# KiCad board radioboard_original.kicad_pcb (continued)
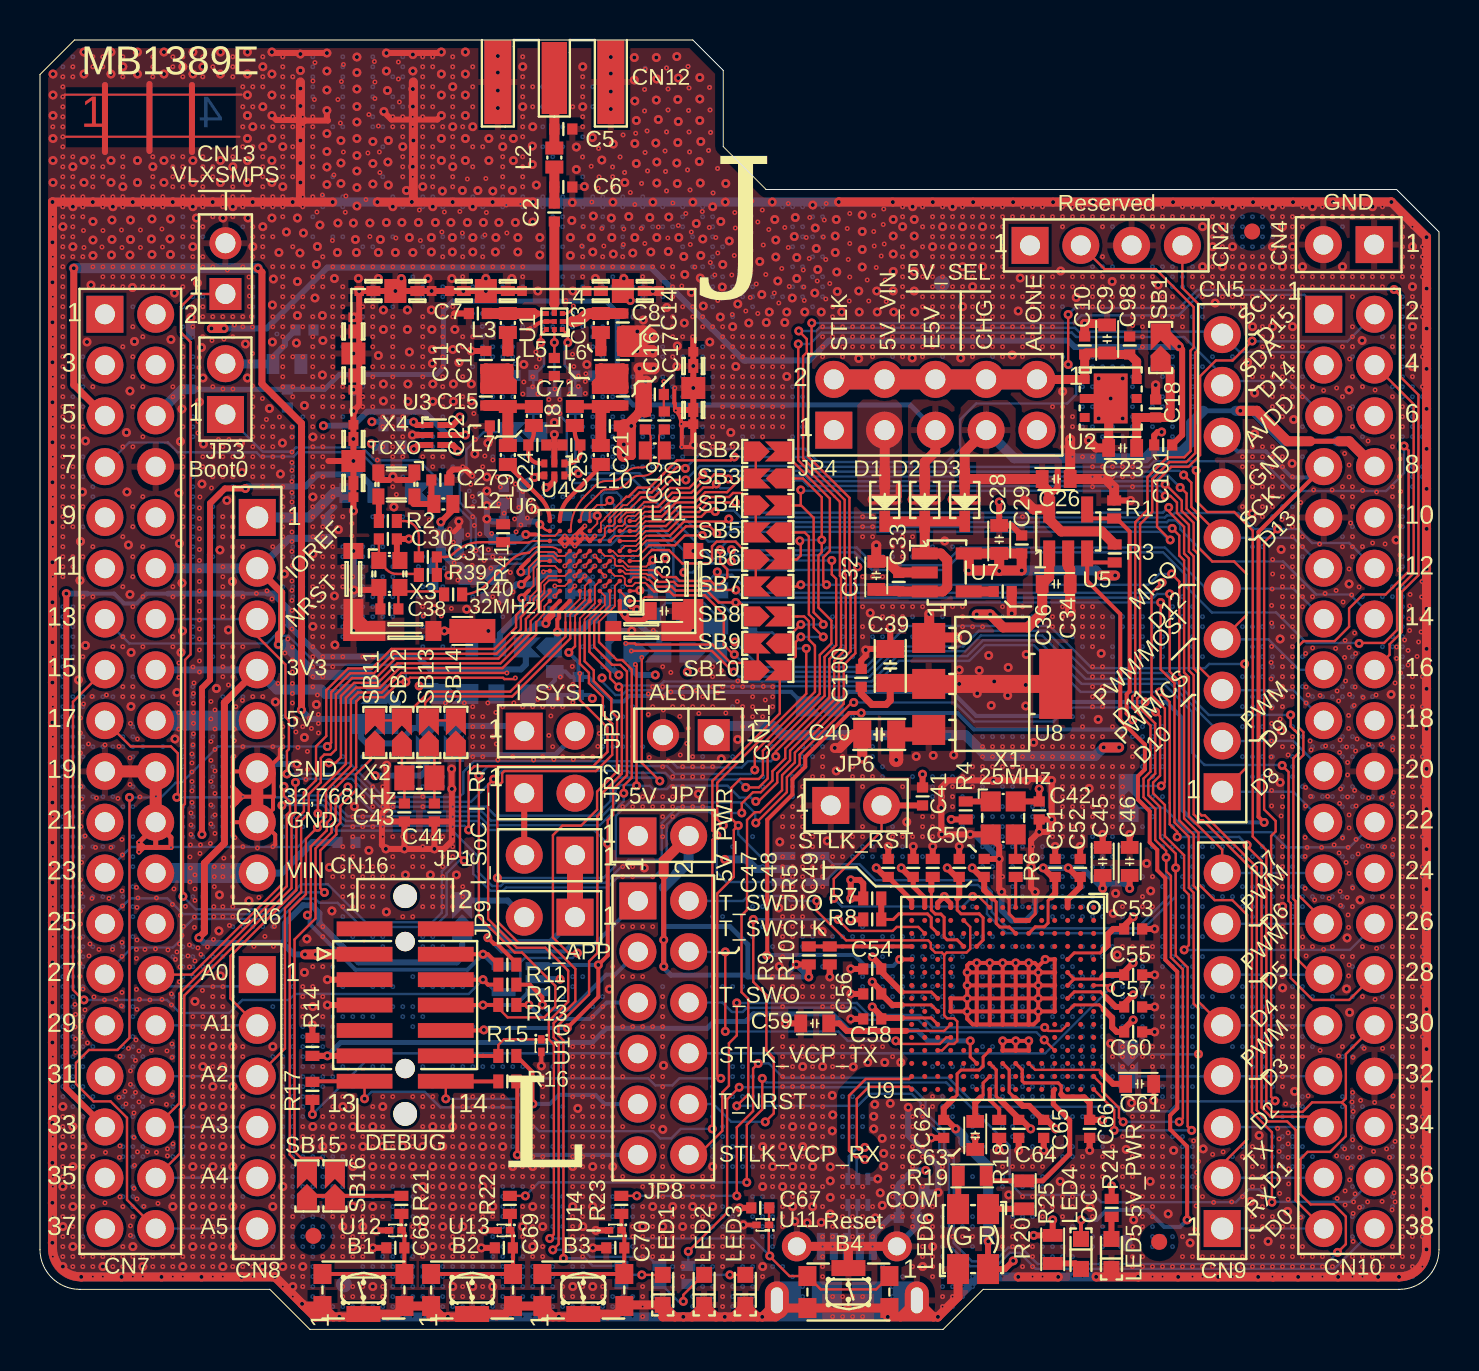
[diagram p0: board, top side]
## Routing (per net, layer and track width the routed paths; a pad name or vN(x,y) marks a point on that pad's centre or on a via; arc(x,y) is an arc through that point) (continued)
GNDDetect: length 38.2
  Top Layer w0.15: v1(46.52,14.42) 46.52,13.62 U9.K13
  Top Layer w0.3: 13.6,13.67 14.37,13.67 v1(14.37,13.68) ; v1(14.37,13.68) CN16.11 ; v1(14.37,13.68) 13.63,13.68 R14.2
  Bottom Layer w0.25: v1(46.52,14.42) 44.4,14.42 43.87,14.95 40.46,14.95 39.63,15.78 35.68,15.78 35.3,15.4 33.71,15.4 33.37,15.05 28.33,15.05 27.62,14.35 15.04,14.35 v1(14.37,13.68)
VBAT: length 57.9
  Top Layer w0.2: U6.A8 25.6,36.02 25.6,35.75
  Top Layer w0.3: CN7.33 1.32,12.05 v1(1.32,36.79)
  Top Layer w0.35: 25.6,35.74 25.36,35.49 25.36,35.35 v1(25.3,35.3)
  Bottom Layer w0.2: 2.34,36.79 3.71,36.79 4.2,36.3 4.83,36.3 5.28,36.75 5.28,36.75 5.33,36.79 6.42,36.79 ; 10.13,36.79 11.4,36.79
  Bottom Layer w0.3: 11.4,36.79 11.65,36.79 12.42,36.02 12.42,35.22 14.01,33.64 18.88,33.64 19.52,33 24.05,33 24.3,33.25 SB21.2 24.3,34.75 24.85,35.3 v1(25.3,35.3) 25.3,35.57 C84.2 ; v1(1.32,36.79) 2.34,36.79 ; 6.42,36.79 10.13,36.79
VDD_APP: length 50.6
  Top Layer w0.3: U4.5 25.73,42.42 25.4,42.1 v1(25.3,42.1) ; U3.5 v1(21.27,44.72)
  Signal Layer 2 w0.2: v1(14.17,45.19) 14.17,32.07 15.58,30.67 15.58,27.57 15.85,27.31 15.85,26.75 16.17,26.43 16.17,25.9 17.35,24.72 20.7,24.72 22.01,23.41 22.01,21.51 22.91,20.61 JP9.2 ; v1(25.3,42.1) 25.3,43.22 23.6,44.92 21.9,44.92 21.7,44.72 v1(21.27,44.72)
  Bottom Layer w0.3: SB32.2 21.29,21.44 23.39,21.44 JP9.2 ; 21.08,44.72 20.37,44.72 19.21,45.89 16.36,45.89 15.66,45.19 v1(14.17,45.19)
VDD_MCU: length 59.7
  Top Layer w0.3: JP1.2 JP2.1
  Top Layer w0.35: v1(10.9,53.06) 11.1,52.86 11.1,47.28 13.08,45.3 13.08,30.98 v1(13.08,30.97) ; v1(1.69,53.06) 1.69,47.24 CN7.5
  Signal Layer 1 w0.3: JP2.1 24.2,26.83 24.2,29.91 JP5.1
  Bottom Layer w0.3: v1(13.08,30.97) 13.52,30.52 15.97,30.52 SB29.1 16.05,30.1 16.05,29.6 16.35,29.3 17.87,29.3 18.65,30.07 SB28.1 19.52,30.3 20.48,30.3 SB27.1 20.8,30.17 23.77,30.17 24.22,29.72
  Bottom Layer w0.5: v1(1.69,53.06) v1(10.9,53.06)
VDD_RF: length 45.8
  Top Layer w0.2: v1(29.25,35.77) 29.12,35.77 29,35.9 U6.A2
  Top Layer w0.3: v1(29.25,35.77) 29.25,35.65 29.45,35.45 30.17,35.45 30.65,35.92
  Signal Layer 2 w0.35: v1(29.25,35.77) 29.25,35.65 29.42,35.47 31.55,35.47 31.77,35.7 35.2,35.7 35.95,34.95 35.95,29.25 33.8,27.1 33.8,26.6 33.2,26 27.57,26 JP2.2 25.35,25.4 23.02,25.4 22.52,25.9 18.55,25.9 v1(16.76,27.69)
  Bottom Layer w0.3: v1(16.76,27.69) 19.05,27.69 19.3,27.94 SB28.2 ; SB23.2 30.98,34.62 30.77,34.82 30.4,34.82 29.81,35.42 29.48,35.42 29.25,35.65 v1(29.25,35.77) 29.25,36.48 29.24,36.49 29.25,36.5
VDD_SYS: length 69
  Top Layer w0.09: 24.45,36.95 24.68,37.18 24.68,38.09 25.02,38.42 U6.E9 ; U6.E2 29.15,38.42 29.43,38.14 30.32,38.14 30.47,38.29 ; v1(27.87,40.69) 27.87,40.69 27.87,40.3 U6.H5
  Top Layer w0.2: 30.47,38.29 v1(30.65,38.48) ; U6.A7 25.96,35.89 25.96,35.89 25.96,35.58 25.87,35.49 v1(25.87,34.88) ; 24.45,36.95 24.1,36.6 v1(24.1,36.57)
  Signal Layer 2 w0.35: 25.52,28.67 23.3,28.67 22.19,29.79 20.71,29.79 18.96,31.54 v1(18.96,32.17) ; 25.52,28.67 26.57,29.72 26.95,29.72 28.2,28.47 31.77,28.47 32.4,29.1 32.4,30.55 33,31.15 33.7,31.15 34.12,31.57 34.12,33.77 33.57,34.32 28.33,34.32 27.37,35.27 26.98,34.88 26.05,34.88 ; 25.52,28.67 25.85,29 ; v1(30.65,38.48) 28.44,40.69 v1(27.87,40.69) 26,38.82 26,37.9 24.65,36.55 25.25,35.95 25.92,35.95 26.53,35.35 26.05,34.88 ; v1(25.87,34.88) 26.05,34.88 ; v1(24.1,36.57) 24.62,36.57
  Bottom Layer w0.25: 26.76,29.72 25.78,28.74 20.93,28.74 SB27.2
  Bottom Layer w0.3: C83.2 25.15,36.8 24.92,36.57 v1(24.1,36.57) 24.1,35.88 23,34.77 C87.2 ; v1(18.96,32.17) 19.83,32.17 SB24.1 ; C81.2 v1(30.65,38.48) ; C75.2 27.26,40.69 v1(27.87,40.69)
  Bottom Layer w0.35: SB21.1 25.73,34.1 25.87,34.25 v1(25.87,34.88) 27,34.88 C86.2
VDDPA: length 10.2
  Top Layer w0.09: U6.H8 25.75,39.67 25.18,39.67 ; 24.87,39.75 24.96,39.75 arc(25,39.74) 25.02,39.72 arc(25.08,39.69) 25.15,39.67 25.17,39.67
  Top Layer w0.2: v1(24.3,39.75) 24.8,39.75
  Top Layer w0.3: v1(20.9,43.9) 20.9,43.97 20.9,43.97 20.65,44.22 U3.4
  Signal Layer 2 w0.35: v1(20.9,43.9) 20.9,43.57 21.27,43.2 ; 21.27,43.2 22.67,43.2 24.24,41.63 24.24,39.81 v1(24.3,39.75) ; 21.27,43.2 21.55,43.2
  Bottom Layer w0.3: C78.2 23.7,39.5 arc(24.02,39.56) v1(24.3,39.75)
VDDRF: length 35.1
  Top Layer w0.09: U6.E8 25.89,38.42 25.64,38.67 25.02,38.67 24.45,38.11 24.45,37.62
  Top Layer w0.2: v1(24.08,37.25) 24.45,37.62
  Signal Layer 2 w0.35: v1(30.77,32.72) 30.3,32.72 29.12,31.55 28.4,31.55 27.27,32.67 27.27,32.69 26.71,33.25 23.23,33.25 21.9,34.57 21.9,35.41 23.75,37.25 v1(24.08,37.25) 24.35,37.25 24.67,37.57 24.67,38.25 24.33,38.6 23.55,38.6 23.01,39.14 23,39.14 18.69,43.45 17.41,43.45 v1(16.58,44.29)
  Bottom Layer w0.3: 29.58,33.92 29.58,33.02 29.87,32.72 v1(30.77,32.72) ; C82.2 25.08,37.7 24.62,37.25 v1(24.08,37.25) 23.82,37.25 C93.2
  Bottom Layer w0.35: R37.2 16.75,44.11 v1(16.58,44.29)
VDDRF1V55: length 41.7
  Top Layer w0.09: 24.45,38.48 24.84,38.88 25.7,38.88 25.9,38.67 26.25,38.67 U6.F7
  Top Layer w0.2: 24.45,38.48 24.05,38.08 v1(24.05,37.88)
  Signal Layer 2 w0.35: 21.71,37.89 17.83,41.77 16.59,41.77 15.15,43.21 15.15,44.74 15.8,45.39 v1(16.6,45.39) ; v1(24.05,37.88) 21.7,37.88 20.35,36.52 20.35,35.9 19.65,35.2 19.65,33.92 21.75,31.82 26.57,31.82 28.3,30.1 29.65,30.1 30.58,31.02 31.1,31.02 32.37,32.3 v1(32.37,32.88)
  Bottom Layer w0.3: 17.16,45.24 17.01,45.39 v1(16.6,45.39) ; v1(32.37,32.88) 32.37,33.55 SB22.1 ; v1(24.05,37.88) 24.38,37.88 25.1,38.6 C80.2
VIN: length 71.8
  Top Layer w0.7: v1(42.83,28.48) C40.2 44.22,29.75 U8.3
  Signal Layer 2 w0.35: v1(45.7,28.72) 45.67,28.7 v1(44.67,28.7) 43.87,28.7 v1(43.83,28.65) 43,28.65 v1(42.83,28.47) 42.83,27.75 43.87,26.7 43.87,25.05 43.49,24.67 40.64,24.67 37.58,21.6 37.58,20.67 35.79,18.89 35.79,16.01 35.36,15.59 34,15.59 33.75,15.34 33.75,13.19 33.11,12.55 20.4,12.55 15.21,17.74 15.21,19.29 14.02,20.47 14.02,21 12.2,22.82 CN6.8 CN7.24
  Bottom Layer w0.35: C99.2 13.63,24.35 13.05,23.77 13.02,23.77 12.07,22.82 CN6.8
  Bottom Layer w1: CN7.24 CN6.8
ARD_D0_RX: length 75.1
  Top Layer w0.12: v1(38.05,35.24) 38.05,35.24 37.1,34.3 SB9.1 ; v1(56.28,41.68) 56.54,41.68 56.86,41.35 56.86,40.83 57.46,40.23 57.46,38.9 57.7,38.66 57.7,33.05 57.94,32.81 57.94,25.85 58.09,25.7 58.26,25.7 60.86,23.11 60.86,10.96 61.42,10.39 62.38,10.39 62.8,9.97 62.8,6.45 CN10.37 ; SB4.2 38.02,41.2 38.05,41.22 ; 38.05,41.22 v1(38.05,41.97) ; 38.05,41.22 38.69,40.58 38.69,35.85 39.17,35.37 v1(39.17,35.25)
  Bottom Layer w0.12: 56.27,41.7 56.13,41.84 56.11,41.84 56.02,41.93 38.09,41.93 v1(38.05,41.97) ; CN9.1 CN10.37 ; v1(39.17,35.25) 39.15,35.27 39.12,35.24 v1(38.05,35.24)
ARD_D1_TX: length 65.9
  Top Layer w0.12: CN9.2 59.13,8.25 60.37,9.5 60.37,20.72 59.63,21.47 58.75,21.47 57.94,22.27 57.94,24.83 57.22,25.55 57.22,32.51 56.98,32.75 56.98,37.39 v1(56.6,37.77) ; v1(39.34,37.23) 39.17,37.4 39.17,38.6 39.51,38.93 39.51,41.54 37.15,43.9 SB2.2 ; v1(38.05,37.23) 38.05,37.15 SB7.1
  Bottom Layer w0.12: CN9.2 CN10.35 ; v1(56.6,37.77) 55.98,37.77 55.43,37.23 v1(39.34,37.23) v1(38.05,37.23)
ARD_PB3: length 9.8
  Bottom Layer w0.12: CN10.31 CN9.4 59.12,12.65 SB31.2
E5V: length 60.4
  Top Layer w0.5: JP4.5 44.78,43.9 44.25,43.37 D2.1 44.25,41.5 ; 44.25,41.5 v1(44.8,41.5) ; 44.25,41.5 v1(44.23,41.5) v1(43.65,41.5)
  Signal Layer 2 w0.35: 44.23,42.07 v1(43.65,41.5) v1(44.23,41.5) ; 44.23,42.07 v1(44.23,41.5) ; 44.23,42.07 v1(44.8,41.5) v1(44.23,41.5) ; 44.23,42.07 44.23,42.8 44.78,43.36 JP4.5
  Bottom Layer w0.25: 14.23,47.01 14.98,47.75 19.83,47.75 20.18,48.1 20.18,50.95 20.65,51.42 28.3,51.42 28.87,50.85 28.87,47.02 29.67,46.22 43.52,46.22 JP4.5 ; 14.23,47.01 14.23,47.01 ; 14.23,47.01 7.65,47.01 ; C94.2 12.38,47.01
  Bottom Layer w0.5: v1(43.65,41.5) v1(44.8,41.5) ; CN7.6 7.12,47.01 7.65,47.01
IOREF: length 22.1
  Top Layer w0.35: v1(11.92,34.25) 11.92,34.74 12.09,34.9 12.09,36.84 CN6.2
  Bottom Layer w0.35: CN6.2 10.97,38.06 12.47,39.56 14.35,39.56 C96.2
  Bottom Layer w0.5: 17.8,30.27 17.8,31.27 17.3,31.77 SB25.2 16.77,32.4 16.44,32.73 13.74,32.73 12.22,34.25 v1(11.92,34.25) ; CN7.12 CN6.2
NetB1_2: length 7.2
  Top Layer w0.2: B1.2 B1.4 18.23,2.77 C68.2 18.23,4.81 U12.1 18.08,4.96 R21.1
NetB2_2: length 7.2
  Top Layer w0.2: R22.1 23.51,5.76 U13.1 23.65,4.81 C69.2 23.66,4.06 B2.4 B2.2
NetB3_2: length 7.2
  Top Layer w0.2: B3.2 B3.4 C70.2 29.23,4.81 U14.1 29.09,5.76 R23.1
NetC2_1: length 1.8
  Top Layer w0.5: L2.2 C6.2 C2.1
NetC2_2: length 4.9
  Top Layer w0.14: 25.67,50.85 U1.4
  Top Layer w0.25: 25.73,50.98 U1.4 ; 25.72,50.98 arc(25.7,51.11) 25.62,51.22 ; 25.72,50.98 arc(25.75,51.11) 25.82,51.22
  Top Layer w0.5: 25.73,51.3 C2.2
NetC5_2: length 3.5
  Top Layer w0.5: L2.1 C5.2 CN12.1
NetC7_2: length 4.1
  Top Layer w0.12: 24.59,50.58 24.75,50.58 ; 24.56,51.02 24.72,51.02
  Top Layer w0.24: 24.66,50.8 25.12,50.8 ; 25.12,50.8 U1.5 ; 25.12,50.8 arc(24.92,50.76) 24.75,50.64 ; 25.09,50.8 arc(24.89,50.84) 24.72,50.96
  Top Layer w0.55: 24.66,50.8 L3.2 C7.2
NetC8_2: length 3.9
  Top Layer w0.12: 26.62,50.26 26.61,50.24 26.52,50.24 26.48,50.27
  Top Layer w0.24: 26.3,50.4 26.59,50.4 26.59,50.41 ; 26.3,50.4 26.27,50.4 ; 26.3,50.4 arc(26.42,50.37) 26.53,50.3 ; U1.2 26.27,50.4 ; 26.27,50.4 arc(26.43,50.43) 26.56,50.52
  Top Layer w0.55: C8.2 L4.2 27.55,50.8 arc(27.39,50.77) 27.25,50.67 27.2,50.63 arc(26.95,50.46) 26.65,50.4 26.73,50.4 ; 27.93,50.75 27.98,50.75
NetC11_2: length 9.7
  Top Layer w0.2: 22.42,46.88 22.65,47.1 22.85,47.1 ; 22.3,46.88 22.3,46.92 ; 22.3,46.92 22.35,46.88 ; 22.3,46.93 C15.2 ; 22.3,46.93 22.25,46.88 22.12,46.88 ; 22.3,46.93 22.47,47.1 ; L5.2 23.42,47.12 23.48,47.12 23.75,47.4 23.37,47.77 23.33,47.77
  Top Layer w0.55: C11.2 22.85,47.47 ; C11.2 C15.2 22.47,47.1 ; C11.2 C12.1 ; 22.85,47.47 C12.1 ; 22.85,47.47 23.23,47.1 L5.2 ; 22.85,47.47 22.47,47.1 ; C12.1 L5.2 ; 22.47,47.1 22.65,47.1 ; 22.85,47.1 L5.2
  Top Layer w0.65: 22.47,47.1 23.23,47.1
NetC12_2: length 0.9
  Top Layer w0.55: C12.2 L3.1
NetC13_1: length 0.9
  Top Layer w0.55: C13.1 L4.1
NetC13_2: length 8.7
  Top Layer w0.2: 29.33,46.88 28.45,46.88 28.23,47.1 L6.2
  Top Layer w0.55: C16.1 C14.2 ; C16.1 28.98,47.1 ; C16.1 28.98,47.1 ; C14.2 28.6,47.47 ; C14.2 C13.2 ; 28.05,47.45 27.87,47.27 L6.2 28.05,47.45 ; 28.05,47.45 C13.2 ; 28.05,47.45 28.12,47.52 28.12,47.6 ; 28.6,47.47 C13.2 ; 28.6,47.47 28.23,47.1 28.98,47.1 ; 28.6,47.47 28.98,47.1
NetC15_1: length 4.4
  Top Layer w0.3: L5.1 L7.2
  Top Layer w0.55: C15.1 23.35,46.2 L5.1 C22.2 L9.2
NetC16_2: length 4.4
  Top Layer w0.21: 28.05,45.02 C21.2
  Top Layer w0.3: L8.2 L6.1
  Top Layer w0.55: C21.2 L6.1 28.1,46.2 C16.2 ; L10.2 28.05,45.02
NetC17_2: length 10.6
  Top Layer w0.11: U1.3 26.29,50.8 arc(26.39,50.82) 26.47,50.88 26.6,51 arc(26.66,51.08) v2(26.67,51.17) ; v2(31.2,47.4) C17.2 31.2,45.96 arc(31.21,45.93) C20.2
  Signal Layer 1 w0.1: v2(31.2,47.4) 31.2,49.91 arc(31.08,50.5) 30.75,51 30.1,51.65 arc(29.77,51.87) 29.37,51.95 28.5,51.95 arc(27.53,51.76) 26.71,51.21 v2(26.67,51.17)
NetC18_2: length 6.4
  Top Layer w0.45: SB1.1 56.05,48.4 56.52,47.92 56.52,45.67 56.45,45.6 C18.2 U2.4 C23.2
NetC24_1: length 2.5
  Top Layer w0.21: L7.1 24.7,44.89 arc(24.63,44.53) C24.1 24.42,43.8 arc(24.46,43.64) 24.55,43.5 arc(24.77,43.35) 25.03,43.3 U4.3
NetC25_2: length 2.5
  Top Layer w0.21: L8.1 26.75,44.89 arc(26.82,44.53) C25.2 27.02,43.8 arc(26.99,43.64) 26.9,43.5 arc(26.68,43.35) 26.42,43.3 U4.1
NetC27_2: length 2.3
  Top Layer w0.3: C27.2 19.58,41.4 L12.1 18.67,41.27
NetC30_2: length 3.4
  Top Layer w0.12: C30.2 X3.1 16.95,38.38 17.34,37.99 arc(17.57,37.83) 17.85,37.77 18.9,37.77 R39.2
NetC31_1: length 3
  Top Layer w0.12: 18.03,40.2 17.87,40.2 17.98,40.3 R2.2 18.18,40.42 arc(18.73,40.2) 18.95,39.66 C31.1
NetC32_2: length 11.9
  Top Layer w0.5: D2.2 U7.1 45.05,38.8 45.37,38.47 45.37,37.12 45.15,36.9 U7.3 42.98,36.9 C33.2 41.9,36.92 C32.2 ; D2.2 D1.2 ; D2.2 D3.2
NetC36_2: length 1.2
  Top Layer w0.5: U7.4 C36.2
NetC38_2: length 3.5
  Top Layer w0.12: C38.2 17.92,37.02 X3.3 18.2,36.9 20.06,36.9 R40.2
NetC59_2: length 6.4
  Top Layer w0.12: 43.33,14.92 45.23,14.92 U9.M10
  Top Layer w0.3: C59.2 39.98,15.3 40.35,14.92 43.33,14.92
NetC61_2: length 5.3
  Top Layer w0.12: U9.F13 49.77,12.97 52.98,12.97 53.1,12.85
  Top Layer w0.3: 53.1,12.85 53.67,12.27 C61.2
NetC63_2: length 2.6
  Top Layer w0.15: 47.05,11.6 47.17,11.72 47.17,12.32 U9.J14
  Top Layer w0.3: 47.05,11.6 46.77,11.32 C63.2
NetC71_2: length 3.9
  Top Layer w0.12: 25.75,49.34 25.72,49.31 C71.2 ; v1(25.73,49.35) U1.8
  Bottom Layer w0.12: R28.2 v1(25.72,49.35)
NetC72_2: length 3.5
  Top Layer w0.12: U1.1 26.4,49.72 v1(26.4,49.35)
  Bottom Layer w0.12: R27.2 C72.2 26.25,48.2 26.25,49.2 v1(26.4,49.35)
NetC73_2: length 3.5
  Top Layer w0.12: U1.7 25.05,49.72 v1(25.05,49.35)
  Bottom Layer w0.12: v1(25.05,49.35) 25.2,49.2 25.2,48.2 24.67,47.67 R29.1
NetC74_2: length 4.6
  Top Layer w0.12: v1(25,40.25) 25.2,40.05 arc(25.34,39.96) U6.H9
  Top Layer w0.3: U4.4 24.96,42.7 arc(24.83,42.67) v1(24.73,42.6)
  Bottom Layer w0.3: v1(24.73,42.6) 24.73,42.53 arc(24.28,42.35) 24.1,41.91 C74.2 C76.2 24.64,40.4 arc(24.83,40.36) v1(25,40.25)
NetC85_2: length 8
  Top Layer w0.09: U6.B2 29.25,36.67 29.25,36.32 29.52,36.05 29.87,36.05
  Bottom Layer w0.12: v1(29.85,36) 29.85,36.02 30.23,35.65 C85.2 30.75,35.77 31.3,36.32 33.2,36.32 33.77,35.75 L13.1
  Bottom Layer w0.3: SB22.2 L13.1
NetC88_2: length 20.7
  Top Layer w0.09: 26.76,35.36 26.76,35.68 U6.A5
  Top Layer w0.12: v1(26.45,33.85) 26.76,34.16 26.76,35.36 ; U6.A5 U6.B5
  Bottom Layer w0.2: v1(26.45,33.85) 26.92,33.38 C89.2 ; C89.2 26.55,32.62 26.27,32.9 C88.2 25.75,32.45 25.4,32.1 24.65,32.1 24.42,31.88 ; C89.2 27.42,32.62 28.65,31.4 29.19,31.4 29.47,31.68 31.22,31.68 31.42,31.88 37.57,31.88 38.3,31.15 SB26.2
NetC95_2: length 4.6
  Bottom Layer w0.3: R26.2 11.65,48.62 12.25,49.22 12.25,49.45 C95.2
  Bottom Layer w0.45: 9.25,48.27 R26.2
NetCN6_1: length 5
  Bottom Layer w0.5: CN6.1 10.87,40.6 13.47,40.6 14.73,41.87 15.26,41.87 R31.1
NetCN7_7: length 17.8
  Bottom Layer w0.12: CN7.7 4.46,44.35 6.4,44.35 6.89,43.86 10.83,43.86 11.04,43.65 12.69,43.65 12.9,43.86 16.01,43.86 16.66,43.21 18.4,43.21 18.85,42.76 SB19.2
NetCN10_22: length 13.6
  Bottom Layer w0.12: SB30.1 56.23,26.07 57.43,24.87 61.58,24.87 62.35,24.1 65.49,24.1 CN10.22
NetCN13_1: length 81.8
  Top Layer w0.12: CN13.1 7.67,51.77 7.05,51.15 7.05,49.85 7.53,49.37 7.53,33.75 ; v1(7.15,21.65) 7.15,26.17 7.25,26.27 7.25,26.91 7.25,26.91 7.25,29.97 7.25,29.98 7.25,33.48 7.52,33.75 ; v1(34.17,25.2) 33.87,25.5 33.87,27.33 38.33,31.79 v1(38.33,34.05)
  Bottom Layer w0.12: v1(7.15,21.65) 7.8,21 11.81,21 13.06,22.25 14.39,22.25 16.28,20.36 19.63,20.36 20.1,20.84 20.1,22.91 21.03,23.84 21.38,23.84 21.67,23.56 21.67,22.78 22.52,21.93 23.14,21.93 23.31,22.09 28.38,22.09 28.91,22.62 30.7,22.62 31.34,23.27 31.34,25.23 31.99,25.88 33.5,25.88 v1(34.17,25.2) ; v1(38.33,34.05) 37.42,34.05 36.62,34.85 R33.1
NetJP8_1: length 10.9
  Top Layer w0.2: v1(22.4,19.59) 22.71,19.27 22.86,19.27 23.83,18.31 R11.2
  Bottom Layer w0.2: JP8.1 27.74,19.26 26.59,19.26 26.23,18.9 23.09,18.9 v1(22.4,19.59)
NetJP8_3: length 8
  Top Layer w0.2: R12.2 24.5,17.24 25.12,16.61 v1(25.12,16.22)
  Bottom Layer w0.2: v1(25.12,16.22) 25.35,16 26.59,16 28.33,17.74 28.76,17.74 JP8.3
NetJP8_5: length 6.7
  Top Layer w0.2: R13.2 v1(24.45,16.22)
  Bottom Layer w0.2: JP8.5 28.34,16.34 27.52,15.52 25.15,15.52 v1(24.45,16.22)
NetJP8_7: length 18.3
  Top Layer w0.2: v1(13.62,10.75) R17.1
  Bottom Layer w0.12: v1(13.62,10.75) 16.68,13.8 JP8.7
NetJP8_9: length 8.4
  Top Layer w0.2: v1(24.65,11.27) 24.63,11.29 24.63,12.87 R15.2
  Bottom Layer w0.2: JP8.9 28.25,11.27 27.79,11.72 25.95,11.72 25.5,11.27 v1(24.65,11.27)
NetJP8_11: length 9.7
  Top Layer w0.2: R16.2 23.87,12.35 v1(23.87,8.72)
  Bottom Layer w0.2: v1(23.87,8.72) JP8.11
NetL9_1: length 3.6
  Top Layer w0.21: 23.51,43.1 23.51,43.1 ; 23.51,43.1 arc(23.47,43.17) 23.45,43.25 ; 23.51,43.1 arc(23.51,43.1) 23.51,43.1 ; 23.51,43.1 25.01,41.6 ; U6.J9 arc(25.4,40.98) 25.13,41.48 arc(25.07,41.54) 25.01,41.6
NetL10_1: length 3.6
  Top Layer w0.21: U6.J8 arc(26.1,40.98) 26.37,41.48 arc(26.43,41.54) 26.49,41.6 27.99,43.1 arc(28.03,43.17) L10.1
NetL13_2: length 4.7
  Bottom Layer w0.12: R32.2 31.6,36.95 L13.2 33.77,36.6 34.62,35.75 R33.2
NetL14_1: length 1.5
  Bottom Layer w0.2: SB24.2 L14.1
NetLED1_1: length 2.3
  Top Layer w0.12: v1(30.1,2.72) LED1.1
  Bottom Layer w0.12: R36.2 29.17,2.28 29.62,2.72 v1(30.1,2.72)
NetLED2_1: length 3.3
  Top Layer w0.12: v1(32.17,1.4) 32.17,1.72 33.17,2.72 LED2.1
  Bottom Layer w0.12: v1(32.17,1.4) 31.92,1.4 31.05,2.28 R35.2
NetLED3_1: length 3
  Top Layer w0.12: v1(34.51,2.72) LED3.1
  Bottom Layer w0.12: v1(34.51,2.72) 32.98,2.72 32.52,2.28 R34.2
NetLED4_1: length 1.5
  Top Layer w0.3: LED4.1 51.79,3.3 R25.1
NetLED4_2: length 44.3
  Top Layer w0.2: 52.37,38.4 U5.3 ; 52.37,38.4 52.37,37.42 54.03,35.77 54.03,30.47 55.26,29.24 55.26,28.01 54.91,27.66 54.91,26.5 55.5,25.91 55.5,24.35 55.88,23.98 55.88,22.96 56.28,22.56 56.28,18.48 56.88,17.88 56.88,11.05 56.52,10.7 56.52,10 57.37,9.15 v1(57.37,5.47) ; 52.37,38.4 52.42,38.35 R3.1 ; v1(52.08,5.47) 52.07,5.47 LED4.2
  Bottom Layer w0.2: v1(57.37,5.47) 57.02,5.12 56.23,5.12 55.37,5.97 53.35,5.97 52.85,5.47 v1(52.08,5.47)
NetLED5_1: length 1.1
  Top Layer w0.3: R24.2 53.59,5.61 LED5.1
NetLED6_2: length 1.7
  Top Layer w0.3: LED6.2 45.92,6.02 R19.1
NetLED6_3: length 1.8
  Top Layer w0.3: LED6.3 47.43,6.03 R20.1
NetR2_1: length 1.2
  Top Layer w0.3: R2.1 16.95,41.62 arc(16.94,41.64) X4.3
NetR4_2: length 1.2
  Top Layer w0.3: R4.2 X1.1
NetR5_2: length 4.6
  Top Layer w0.15: 44.58,21.94 44.58,20.97 44.78,20.77 45.05,20.77 45.22,20.6 45.22,19.63 45.37,19.48 45.87,19.48 U9.L4
  Top Layer w0.3: 44.58,21.94 44.58,22.55 R5.2
NetR6_1: length 1.2
  Top Layer w0.15: R6.1 X1.3
NetR6_2: length 1.5
  Top Layer w0.15: U9.G1 R6.2
NetR7_2: length 4.7
  Top Layer w0.15: R8.2 42.67,20.5 42.95,20.77 44.39,20.77 44.58,20.59 44.58,20.12 U9.N3
  Top Layer w0.3: R8.2 R7.2
NetR18_2: length 1.7
  Top Layer w0.2: U9.J15 47.5,11.48 47.98,11 47.98,10.5
NetR21_2: length 4.7
  Top Layer w0.2: R21.2 SB16.1 SB15.1
NetR29_2: length 1.2
  Bottom Layer w0.12: 24.65,44.75 24.67,44.77 R29.2
NetR32_1: length 1.3
  Top Layer w0.12: U6.B1 29.97,36.92 30,36.9 30,36.9 v1(30,36.95)
  Signal Layer 2 w0.12: 30,36.92 v1(30,36.95)
  Bottom Layer w0.09: v1(30,36.95) 30.47,36.95
  Bottom Layer w0.12: 30.47,36.95 30.67,36.95 30.67,36.95
NetR37_1: length 1.6
  Top Layer w0.3: v1(18.7,44.02) 18.9,44.22 U3.3
  Bottom Layer w0.3: v1(18.7,44.02) 18.29,44.02 18.06,44.25
NetR38_1: length 1.5
  Top Layer w0.3: v1(18.69,45.38) 18.84,45.22 U3.1
  Bottom Layer w0.3: v1(18.69,45.38) 18.2,45.38 18.06,45.24
NetR40_1: length 5.8
  Top Layer w0.09: 24.45,38.84 arc(24.47,38.85) 24.49,38.86 24.62,39 arc(24.76,39.09) 24.93,39.12 25.52,39.12 arc(25.78,39.07) U6.F8
  Top Layer w0.12: R40.1 arc(21.78,36.88) 22.35,37.26 23.57,38.48 arc(23.95,38.74) 24.4,38.82 arc(24.43,38.83) 24.45,38.84
NetSB11_2: length 13.8
  Top Layer w0.09: U6.B6 27,36.52 26.28,35.8 26.28,35.36
  Top Layer w0.12: SB11.2 SB12.2 ; 18.12,30.54 19.02,31.43 19.02,31.44 19.48,31.89 23.52,31.89 26.28,34.65 26.28,35.36
NetSB13_2: length 13.8
  Top Layer w0.09: U6.C5 27.25,37.17 27.25,36.47 26.52,35.74 26.52,35.36
  Top Layer w0.12: 20.55,30.45 20.55,30.55 ; 19.26,30.82 19.26,31.34 19.58,31.65 23.62,31.65 26.52,34.55 26.52,35.36 ; SB13.2 SB14.2
OSC32_IN: length 3.1
  Top Layer w0.12: SB12.1 18.1,27.7 X2.2 C43.1
OSC32_OUT: length 3.2
  Top Layer w0.12: C44.1 X2.1 19.73,29.07 SB13.1
PA0: length 110.7
  Top Layer w0.12: v2(26.75,37.67) U6.D6 ; SB16.2 14.75,7.88 14.05,8.57 13.05,8.57 12.73,8.89 12.73,19.49 13.78,20.55 13.78,24.05 14.58,24.85 14.58,25.23 14.78,25.43 14.78,26.51 v1(15.4,27.12) ; v1(38.6,50.32) 38.59,50.31 38.59,48.75 38.4,48.57 38.4,43.66 40.49,41.58 40.49,37.95 40.54,37.9 40.54,33.91 39.96,33.33 39.96,31.38 37.52,28.94 37.52,28.45 36.87,27.81 36.87,27.35 35.93,26.4 v1(35.8,26.4) ; v1(29.84,27.18) 29.84,27.18 29.84,33.19 v2(29.78,33.25)
  Signal Layer 1 w0.12: v2(26.75,37.67) 27.1,37.32 27.1,37.2 27.95,36.35 27.95,34.35 29.05,33.25 29.78,33.25 v2(29.78,33.25)
  Bottom Layer w0.12: v1(35.8,26.4) 35.77,26.38 35.55,26.59 34.98,26.59 34.39,27.19 31.53,27.19 31.36,27.02 30.67,27.02 30.5,27.18 v1(29.84,27.18) 29.8,27.22 29.03,27.22 28.79,26.97 28.79,26.34 27.89,25.45 22.55,25.45 22.1,25.9 16.62,25.9 v1(15.4,27.12) ; CN10.1 63.23,51.73 57.97,51.73 56.94,50.7 52.08,50.7 51.7,50.32 v1(38.6,50.32)
PA1: length 118.8
  Top Layer w0.09: 30.47,40.17 30.29,40.17 29.8,39.67 28.75,39.67 U6.G3
  Top Layer w0.12: v1(36.12,12.55) 36.12,11 35.35,10.22 v1(35.35,7.35) ; 56.48,40.88 57.22,40.13 57.22,38.8 57.46,38.56 57.46,32.95 57.7,32.71 57.7,25.75 57.99,25.46 58.16,25.46 60.61,23.01 60.61,10.86 61.61,9.86 v1(61.61,6.36) ; 30.47,40.17 31.31,40.17 32.01,40.87 32.97,40.87 33.44,41.35 v1(34.77,41.35) ; R22.2 v1(24.27,6.67)
  Bottom Layer w0.12: CN10.36 65.54,6.38 61.63,6.38 v1(61.61,6.36) 60.98,7 60.45,7 59.81,6.36 53.08,6.36 52.71,6.72 49.1,6.72 48.5,7.32 48.5,9.17 45.33,12.34 36.33,12.34 v1(36.12,12.55) ; v1(24.27,6.67) 24.95,7.35 v1(35.35,7.35) ; v1(34.77,41.35) 35.28,40.84 56.17,40.84 56.43,41.1 v1(56.45,41.1)
PA2: length 9.3
  Top Layer w0.09: U6.H2 29.15,39.92 29.4,40.17 29.79,40.17 30.26,40.65 30.47,40.65
  Top Layer w0.12: 30.47,40.65 31.11,40.65 31.81,41.35 32.77,41.35 33.28,41.86 34.36,41.86 35.05,42.55 SB3.2 35.8,43.8 SB2.1
PA3: length 8.6
  Top Layer w0.09: 30.47,40.41 30.28,40.41 29.79,39.92 U6.H1
  Top Layer w0.12: SB5.2 35.8,41.1 35.08,41.82 34.66,41.82 34.46,41.62 33.38,41.62 32.87,41.11 31.91,41.11 31.21,40.41 30.47,40.41
PA4: length 45.1
  Top Layer w0.09: 30.47,40.89 30.25,40.89 29.78,40.42 U6.J1
  Top Layer w0.12: 30.47,40.89 31.01,40.89 31.71,41.59 32.67,41.59 33.18,42.1 33.65,42.1 v1(33.83,42.27) ; CN5.3 57.94,33.15 57.94,38.75 57.7,38.99 57.7,40.33 57.11,40.93 57.11,41.45 56.3,42.25 v1(56.27,42.25)
  Bottom Layer w0.12: v1(33.83,42.27) 34.04,42.06 34.56,42.06 34.95,42.45 38.15,42.45 38.43,42.17 56.2,42.17 v1(56.27,42.25) ; CN5.3 62.68,31.96 CN10.17
PA5: length 39.3
  Top Layer w0.09: 30.22,41.37 29.7,40.85 29.32,40.85 29,40.53 U6.J2
  Top Layer w0.12: CN5.6 57.58,41.13 57.58,42.34 v1(57.2,42.72) ; 30.22,41.37 30.81,41.37 31.51,42.07 32.47,42.07 33.15,42.75 33.18,42.75
  Bottom Layer w0.12: CN10.11 62.68,39.58 CN5.6 59.11,39.6 ; v1(33.15,42.75) 33.33,42.93 38.35,42.93 38.63,42.65 55.65,42.65 55.93,42.93 56.99,42.93 v1(57.2,42.72)
PA6: length 42
  Top Layer w0.09: 30.47,37.96 29.35,37.96 29.14,38.17 28.83,38.17 28.75,38.25 28.75,38.53 28.6,38.67 28.25,38.67 U6.F4
  Top Layer w0.12: 30.47,37.96 30.79,37.96 31.13,37.62 31.8,37.62 31.99,37.42 33.55,37.42 33.72,37.25 34,37.25 34.37,37.62 34.37,38 34.02,38.36 v1(34.02,38.99) 34.09,38.99
  Bottom Layer w0.12: 33.85,38.95 33.98,38.95 v1(34.02,38.99) ; CN10.13 62.68,37.04 CN5.5 58.32,37.04 56.27,39.1 46.05,39.1 45.17,38.21 41.73,38.21 40.84,39.1 39.33,39.1 39.19,38.95 35.25,38.95 34.8,39.4 34.36,39.4 33.98,39.02
PA7: length 46.3
  Top Layer w0.09: 30.47,41.13 30.44,41.13 30.43,41.14 30.25,41.14 29.78,40.67 29.4,40.67 29.25,40.53 29.25,40.3 29.12,40.17 28.9,40.17 28.65,39.92 U6.H3
  Top Layer w0.12: 30.47,41.13 30.91,41.13 31.61,41.83 32.57,41.83 33.08,42.34 33.32,42.34 33.72,42.75 34.2,42.75 v1(34.42,42.52) ; v1(57.02,42.1) 57.02,42.12 57.34,41.8 57.34,41.03 57.94,40.43 57.94,39.09 58.64,38.4 59.73,38.4 60.33,37.8 60.33,35.7 CN5.4
  Bottom Layer w0.12: 59.12,34.5 CN5.4 61.45,34.5 62.97,32.98 CN10.15 ; v1(34.42,42.52) 34.59,42.69 38.25,42.69 38.53,42.41 55.75,42.41 56.03,42.69 56.43,42.69 v1(57.02,42.1)
PA8: length 68.9
  Top Layer w0.09: U6.J3 28.5,40.55 29.16,41.21 29.35,41.21 29.61,41.47
  Top Layer w0.12: 32.3,43.12 31.86,43.12 31.43,42.69 31.43,42.69 30.59,41.85 29.99,41.85 29.61,41.47 ; v1(67.73,52) 68.05,51.67 68.05,47.62 68.94,46.73 68.94,37.71 68.11,36.89 68.11,34.88 67.5,34.26 67.5,33.73 CN10.16 ; v1(51.42,48.25) v1(51.42,50.75)
  Bottom Layer w0.12: v1(51.42,48.25) 51.83,47.85 51.83,46.75 51.37,46.3 46.83,46.3 46.02,45.5 46.02,44.05 45.34,43.37 38.92,43.37 38.26,44.03 33.25,44.03 v1(32.28,43.05) ; v1(67.73,52) 67.7,51.97 57.87,51.97 56.98,51.07 51.75,51.07 v1(51.42,50.75)
PA9: length 44.8
  Top Layer w0.12: v2(27.25,38.17) U6.E5 ; v1(34.7,32.88) 34.66,32.88 33.61,33.92 v2(29.58,33.92)
  Signal Layer 1 w0.12: v2(29.58,33.92) 29.23,33.92 28.55,34.6 28.55,36.45 27.95,37.05 27.95,37.48 v2(27.25,38.17)
  Bottom Layer w0.12: CN10.19 62.68,29.42 CN5.2 59.13,29.71 56.31,32.52 52.3,32.52 50.13,34.69 47.06,34.69 46.27,33.91 42.76,33.91 41.49,32.64 34.93,32.64 v1(34.7,32.88)
PA10: length 40.4
  Top Layer w0.09: U6.C8 25.97,37.45 25.46,37.45 25.22,37.22 25.22,36.82 24.86,36.46 24.86,36.09 24.45,35.67
  Top Layer w0.12: 24.45,35.67 24.45,35.66 24.44,35.66 24.3,35.52 24.3,34.92 22.93,33.54 17.78,33.54 16.8,32.57 15.61,32.57 14.8,31.76 14.8,29 14.55,28.74 14.22,28.74 14.05,28.57 14.05,27.36 13.44,26.75 13.44,25.81 13.06,25.43 13.06,21.86 12.25,21.05 12.25,14.04 CN8.3
  Bottom Layer w0.12: 10.88,12.65 CN8.3 CN7.32
PA11: length 93.5
  Top Layer w0.09: U6.B9 25.5,36.84 25.05,36.39 25.05,35.93 24.54,35.42
  Top Layer w0.12: 24.54,35.42 24.54,34.82 23.03,33.3 17.88,33.3 16.9,32.33 15.71,32.33 15.05,31.67 15.05,28.6 14.78,28.33 v1(14.45,28.33) ; v1(37.92,49.27) 37.92,43.46 40.01,41.38 40.01,37.69 40.06,37.63 40.06,34.11 39.48,33.53 39.48,31.58 36.8,28.9 v1(36.8,28.65)